# Allegro board WCS038B.brd (continued)
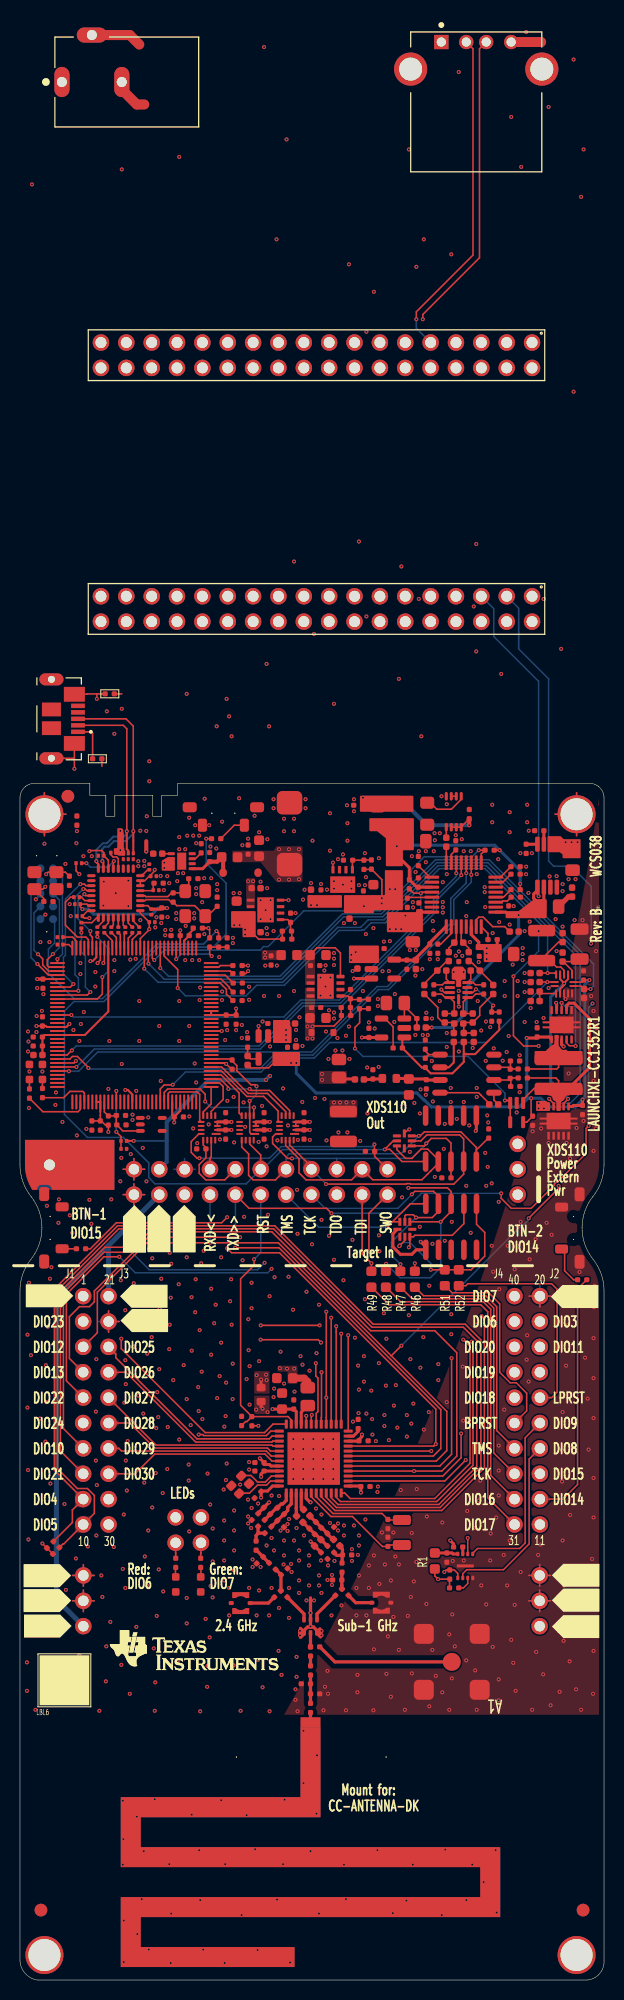
[diagram p0: board, top side]
## Routing (per net, layer and track width the routed paths; a pad name or vN(x,y) marks a point on that pad's centre or on a via; arc(x,y) is an arc through that point) (continued)
  BOTTOM w0.15: v1(40.7,83.75) 40.7,83.7 39.25,82.25 31.7,82.25 ; P4.5 31.73,82.22 31.7,82.25 ; v1(27.25,82.25) 31.7,82.25
XDS_TMS: length 5.9
  TOP w0.15: U5.36 20.15,90.6 21.95,88.8 21.95,86.79 U10.8
XDS_TMS_DIR: length 12.1
  TOP w0.15: U10.5 23.41,87.31 v1(23.45,87.35) ; v1(18.55,87.95) 18.55,88.68 18.02,89.2 14.8,89.2 14.45,88.85 U5.24
  BOTTOM w0.15: v1(18.55,87.95) 19.15,87.35 v1(23.45,87.35)
XDS_TMS_LS: length 34
  TOP w0.15: P4.9 25.59,80.1 23.35,80.1 22.9,80.55 22.9,82.7 22.21,83.39 U10.13 ; 45.71,83.08 45.71,83.36 44.16,84.9 40.5,84.9 40.1,84.5 v1(39.95,84.5) CR7.7 ; 45.71,83.08 P7.2 ; 45.71,83.08 46.9,84.28 R65.2
  BOTTOM w0.15: P4.9 26.65,82.4 26.96,82.71 38.16,82.71 v1(39.95,84.5)
XDS_TX: length 4.8
  TOP w0.15: U8.6 19.16,86.96 20.35,88.15 20.35,89.45 20,89.8 U5.34
XDS_TX_LS: length 3
  TOP w0.15: U8.15 19.16,82.41 19.03,82.28 P4.15
XDS_VDD: length 54.9
  TOP w0.15: U15.25 12.05,106.8 C6.1 v1(12.95,105.2) 12.95,105.15 12.05,104.25 U5.79 ; U5.69 C39.1 v1(16.05,105.08) ; v1(1.65,95.5) C4.1 ; v1(22.85,101) 22.6,100.75 R27.1 ; C42.1 8.05,86.56 8.05,86.92 ; C42.1 C7.1 ; C42.1 8.15,86 8.57,85.58 R18.2 v1(8.85,84.9) ; R58.2 21.18,91.18 v1(20.65,91.7) ; R83.1 5.62,111.03 v1(5.95,110.7) ; U5.122 5.4,91.8 v1(5.6,92) ; v1(6.95,106.3) 6.45,106.3 C79.1 6.8,107.05 U15.16 ; U8.3 U8.4 ; R39.1 v1(22.84,101.55) ; R33.2 26.28,104.22 C47.1 23.9,104.2 C49.1 ; U9.3 U9.4 ; v1(13.5,111.14) 13.5,111.04 13.1,110.63 C78.1 12.95,110.5 12.5,110.05 U15.31 U15.30 ; R17.2 19,105.16 v1(18.86,105.3) ; U15.6 8.85,112.1 C80.1 8.4,112.85 8.19,113.06 7.01,113.06 v1(6.95,113)
  TOP w0.2: C2.1 15.25,86.6 U5.26 ; C2.1 16.05,87 U5.28 ; C2.1 v1(15.45,85.85) ; U5.16 11.25,88.65 10.8,89.1 v1(10.55,89.1) ; U5.7 U5.8 8.05,86.92 ; U5.39 20.55,91.8 v1(20.65,91.7) ; v1(4.95,95.7) 4.65,95.4 U5.113 2.7,95.4 2.6,95.5 C4.1 ; v1(20.21,95) U5.47 ; R31.2 v1(18.86,105.3) ; v1(7.05,102) 7.27,102 7.65,102.38 U5.90 ; U5.52 U5.51 C38.1 C40.1 v1(21.65,97.25) ; U10.4 U10.3 ; U5.101 C3.1
  TOP w0.3: v1(21.18,85.9) C71.1 U8.4 ; U10.4 C75.1 v1(25.03,85.9) ; C3.1 v1(1.72,100.2) ; U9.4 C73.1 v1(29.03,85.9)
  BOTTOM w0.15: v1(2.55,106.65) P8.1
  vias: v1(21.45,105.6) v1(22,105.6) v1(22.55,105.15) v1(22.55,104.65)
N1013277: length 4.3
  TOP w0.15: U1.46 25.17,50.45 24.57,49.85 23.8,49.85 23.14,50.5 22.2,50.5 Y2.3
N1014101: length 11.6
  TOP w0.15: Y1.1 37,43.55 C81.1 36.3,43.4 33.3,46.4 31.15,46.4 29.17,48.37 U1.6
N1014113: length 9.9
  TOP w0.15: Y1.2 36.9,46.05 C91.1 36.85,46.11 36.26,46.7 31.35,46.7 29.67,48.37 U1.7
N1017630: length 2.3
  TOP w0.3: U4.8 43.38,42.65 43.28,42.75 C30.1 R1.1
N1018954: length 4.5
  TOP w0.15: Y2.1 21.98,48.74 22.98,48.74 23.8,49.55 24.7,49.55 25.1,49.95 U1.47
N1105722: length 1
  TOP w0.15: R15.1 18.12,41.28 18.12,40.38 CR1.2
N1105771: length 1
  TOP w0.15: CR2.2 15.57,40.38 15.57,41.22 15.6,41.25 R14.1
N1105824: length 1.6
  TOP w0.15: P6.1 15.59,42.75 15.6,42.73 R14.2
N1106228: length 1.6
  TOP w0.15: R15.2 18.1,42.69 18.12,42.71 18.12,42.74 18.13,42.75 P6.3
N1176544: length 23.9
  TOP w0.15: R46.1 39.57,69.35 40.42,68.5 46.65,68.5 47.75,67.4 47.75,55 J2.13
N1176548: length 27.7
  TOP w0.15: J2.15 47.45,52.76 47.45,67.27 46.52,68.2 39.27,68.2 38.12,69.35 R47.1
N1176568: length 31.4
  TOP w0.15: J2.17 47.15,50.52 47.15,67.15 46.4,67.9 38.12,67.9 36.67,69.35 R48.1
N1177007: length 35.1
  TOP w0.15: R49.1 35.22,69.35 36.97,67.6 46.15,67.6 46.85,66.9 46.85,48.28 J2.19
N1288065: length 4.1
  TOP w0.15: R55.1 55.45,70.1 54.55,71 54.55,73.03 54.4,73.18 SW2.3
N1288098: length 1.4
  TOP w0.15: R56.1 SW1.4
N1409884: length 1.6
  TOP w0.15: R59.1 44.41,39.25 44.85,39.69 U4.3
N1409917: length 0.7
  TOP w0.3: U4.7 R60.1
N2070546: length 1.5
  TOP w0.3: U1.23 33.4,54.45 33.88,54.93 C231.1
N2077625: length 2.6
  TOP w0.32: C37.1 33.63,37.77 P12.1
N2078767: length 13.8
  TOP w0.32: J7.1 31.54,31.85 30.04,33.35 C483.2
N2082297: length 2.8
  TOP w0.32: Z60.2 Z61.2 Z62.1 Z63.1
N2082307: length 1
  TOP w0.32: Z63.2 A1.1
  vias: v1(10.3,17.95) v1(10.3,11.55) v1(10.35,14.1) v1(10.4,5.95) v1(10.4,1.8) v1(11.7,16.35) v1(11.75,4.6) v1(12.2,8.1) v1(12.4,12.9) v1(12.9,3.05) v1(13.5,18.1) v1(14.95,11.6) v1(15.15,6.65) v1(15.1,1.7) v1(17.2,16.55) v1(17.95,13) v1(18.05,8) v1(18.35,3.05) v1(20.15,18) v1(20.55,11.6) v1(20.5,1.7) v1(22.2,6.5) v1(22.7,16.5) v1(23.55,13.1) v1(23.8,3) v1(25.75,8.05) v1(26.35,11.6) v1(26.5,18.05) v1(27.05,1.75) v1(28.4,24.95) v1(28.4,19.7) v1(29.1,12.9) v1(29.75,22.5) v1(29.7,16.65) v1(29.95,6.65) v1(32.45,11.55) v1(32.65,8.1) v1(35.8,13) v1(37.35,6.7) v1(38.7,7.95) v1(39.35,11.55) v1(42.25,6.5) v1(42.6,13.05) v1(44.7,8) v1(45.3,11.55) v1(46.45,9.8) v1(47.65,13) v1(47.75,6.75)
N2109598: length 1
  TOP w0.32: C482.2 Z60.1
N2200217: length 1.4
  TOP w0.32: FL3.2 C483.1
N2265485: length 3.7
  TOP w0.32: U1.1 26.67,48.01 26.32,47.66 26.17,47.66 L11.1 25.69,47.18 25.61,47.18 L12.1 25.06,46.62 C12.1
N2265505: length 2.2
  TOP w0.32: 23.85,45.41 23.85,44.75 23.87,44.72 ; 24.52,44.73 23.88,44.73 23.87,44.72 ; 23.87,44.72 23.87,44.72 23.65,44.5 L13.1
N2265585: length 1.8
  TOP w0.32: L13.2 23.69,43.03 C13.1 24.36,42.34 L14.1
N2265597: length 2.4
  TOP w0.32: 25.6,41.1 25.63,41.1 26.15,40.58 C14.1 26.14,40.54 26.14,38.99 C24.1 C15.1
N2265609: length 4.2
  TOP w0.32: L21.1 25.18,45.38 C21.1 26.42,46.63 26.44,46.63 26.82,47.01 26.82,47.31 27.17,47.66 U1.2
N2265771: length 2.3
  TOP w0.32: L31.1 27.68,46.47 27.68,47.22 27.67,47.23 U1.3
N2265775: length 1.7
  TOP w0.32: U1.4 28.17,47.32 L41.1
N2265811: length 3.5
  TOP w0.32: C33.1 30.7,43.55 30.69,43.55 30.15,44.09 L33.2 30.14,44.1 29.62,44.62 L32.1 29.52,44.65 28.94,45.24 28.92,45.24 28.38,45.78 28.37,45.78 L31.2
N2265859: length 2.9
  TOP w0.32: C34.1 32.3,43.15 32.04,43.41 L42.2 ; C34.1 32.3,42.5 32.25,42.45 32.19,42.51 31.74,42.51 C33.2 ; C34.1 32.27,42.53 32.27,41.76 L34.1
N2265947: length 1.7
  TOP w0.32: C36.1 32.24,39.16 32.24,39.51 32.23,39.51 C35.2 32.23,40.6 32.26,40.62 L34.2
N2265959: length 3.4
  TOP w0.32: L42.1 31.35,44.15 31.29,44.15 30.79,44.65 C41.2 30.64,44.85 30.64,44.85 30.23,45.27 L32.2 30.18,45.31 C31.1 29.59,45.89 29.58,45.89 29.04,46.44 L41.2
N2271463: length 2.7
  TOP w0.32: 25.47,38.32 24.88,37.73 P11.1
N2275325: length 2.9
  TOP w0.32: 26.78,38.32 28.45,36.65 FL3.6
N2275332: length 3.2
  TOP w0.32: FL3.4 29.75,36.66 31.59,38.5
N2777344: length 2.9
  TOP w0.15: SW3.3 21.46,115.6 R57.1
N2941019: length 2.2
  TOP w0.15: U5.95 5.65,104.01 5.26,104.4 R90.2
N2941087: length 1.1
  TOP w0.15: U5.96 4.9,103.65 R91.2
N2941281: length 6.5
  TOP w0.15: U5.3 6.05,87.15 5.82,86.92 2.29,86.92 0.95,88.26 R23.2
N2941323: length 5.4
  TOP w0.15: U5.4 6.45,88.8 6.3,88.95 5,88.95 4.38,88.33 R25.2
N2941527: length 0.9
  TOP w0.15: CR5.2 R25.1
N2941531: length 0.9
  TOP w0.15: CR4.2 R23.1
N2941987: length 6.2
  TOP w0.15: C89.1 16.9,109.35 Y4.1 16.37,108.82 R87.2 15.17,108.82 14.8,108.45 12.6,108.45 12.5,108.55 U15.28
N2942075: length 8.8
  TOP w0.15: C88.2 18.77,106.5 Y4.3 17.5,107.55 15.7,107.55 R87.1 15.15,107.9 14.9,108.15 12.6,108.15 12.5,108.05 U15.27
N2942253: length 4.4
  TOP w0.15: R83.2 v1(6.65,111.8) ; v1(9.4,112) 9.35,111.95 U15.5
  BOTTOM w0.15: v1(9.4,112) 9.27,111.88 9.27,111.87 9.03,111.62 8.8,111.4 7.05,111.4 v1(6.65,111.8)
N2942419: length 2.2
  TOP w0.15: U5.63 19.91,101.4 20.06,101.55 R39.2
N2942527: length 1.1
  TOP w0.15: U15.32 12.2,110.55 12.79,111.14 R84.2
N2942551: length 2.3
  TOP w0.15: U5.62 21.08,101 R27.2
N2942639: length 2.5
  TOP w0.15: R29.1 20.55,100.6 U5.61
N2942779: length 2.8
  TOP w0.15: U5.60 20.15,100.2 20.97,99.38 20.97,99.27 R30.1
N2943199: length 2.4
  TOP w0.2: R31.1 17.35,105.15 16.95,104.75 C46.1 16.95,104.55 16.45,104.05 U5.68
N2943207: length 1.2
  TOP w0.15: U15.24 11.35,106 R140.1
N2943259: length 1.3
  TOP w0.15: U15.14 6.5,108.05 6.15,108.4 R148.1
N2943267: length 1.1
  TOP w0.15: R141.1 10.85,105.8 U15.23
N2943319: length 1
  TOP w0.15: R142.1 10.35,105.6 U15.22
N2943359: length 1
  TOP w0.15: R143.1 U15.21
N2943391: length 1
  TOP w0.15: R144.1 9.35,105.6 U15.20
N2943451: length 1.1
  TOP w0.15: U15.19 8.85,105.8 R145.1
N2943523: length 1.2
  TOP w0.15: U15.18 8.35,106 R146.1
N2943603: length 1.9
  TOP w0.15: U15.17 7.7,106.35 7.2,105.85 R147.1
N2943999: length 7.7
  TOP w0.15: v1(19.2,102.5) 19,102.7 R17.1 R20.1 R21.1 ; v1(15.65,102.2) U5.70
  BOTTOM w0.15: v1(19.2,102.5) 19,102.7 16.15,102.7 v1(15.65,102.2)
N2944041: length 6
  TOP w0.15: U6.3 10.3,85 C50.1 9.65,85.65 C8.1 9.6,86.5 R18.1 8.45,86.9 U5.9
N2944467: length 2.8
  TOP w0.15: U7.5 26.83,106.15 R34.2 27.1,105.1 R33.1 27.22,104.98 C47.2
N2944509: length 15.4
  TOP w0.15: U5.88 8.45,101.9 v1(8.35,101.8) ; C9.1 4.55,110.9 Y3.1 2.82,110.9 v1(2.62,110.7)
  L3 w0.15: v1(2.62,110.7) 4.15,109.17 4.15,106.2 8.35,102 v1(8.35,101.8)
N2944561: length 14.2
  TOP w0.15: v1(2.53,109.44) 2.3,109.2 Y3.3 2.39,108.26 C1.1 ; v1(7.77,101.8) 7.77,101.83 8.05,102.1 U5.89
  L3 w0.15: v1(7.77,101.8) 7.77,102.15 3.85,106.07 3.85,108.12 v1(2.53,109.44)
N2944733: length 3.2
  TOP w0.15: U5.59 20.05,99.8 20.67,99.18 20.67,98.7 R28.2
N2986125: length 14.6
  TOP w0.15: U34.6 U34.7 U34.8 44.2,115.45 44.95,116.2
  TOP w0.4: C118.1 44.95,116.2 45,116.15 v1(45,115.6)
  BOTTOM w0.4: v1(34.35,118.35) 38,118.35 40.75,115.6 v1(45,115.6)
N2986433: length 4
  TOP w0.15: R99.2 53.78,91.2 53.95,91.37 R107.2
N2986453: length 4.4
  TOP w0.15: U34.1 44.2,118.19 43.21,117.2 41.75,117.2 41.1,117.85 Y5.3
N2986493: length 0.5
  TOP w0.15: U34.2 U34.3
N2986501: length 1
  TOP w0.15: R94.2 U34.5
N2986505: length 1.6
  TOP w0.15: U35.24 R94.1
N2986529: length 19.6
  TOP w0.15: U45.1 50.4,88.15 51.5,89.25 R107.1 53.95,90.03 53.68,90.3 R108.2
  TOP w0.3: U33.7 54.75,97.54 55,97.79 55.5,97.79 57.05,96.24 57.05,91.35 55.15,89.45 55.15,89.25
N2986711: length 5.8
  TOP w0.15: R95.2 41.85,97.35 41.85,96.35 42.35,95.85 R102.2 43.4,95.85 C129.1 43.45,95.7 R101.1
N2986719: length 3.5
  TOP w0.15: R104.2 42.75,102 R103.1 40.5,99.75 R95.1
N2986959: length 4.5
  TOP w0.15: R102.1 C130.1 43.5,97.9 U37.4 42.58,98.35 42.23,98.7 C123.1
N2986967: length 3
  TOP w0.15: C123.2 42.31,99.62 42.53,99.85 U37.1 42.7,100.2 R103.2
N2987171: length 2.5
  TOP w0.15: R97.1 38.87,108.37 41.22,108.37 U35.29
N2987283: length 3.3
  TOP w0.15: U36.3 48.92,91.37 C132.1 49.13,91.21 ; C124.2 49.13,91.21 ; 49.13,91.21 49.14,91.2 R99.1
N2987343: length 1.6
  TOP w0.15: R98.2 46.88,104.77 U35.8
N2987399: length 1.4
  TOP w0.15: U36.1 47.47,88.08 R137.2
N2987403: length 5.5
  TOP w0.15: R137.1 47,87.75 46.17,88.57 45.93,88.82 U36.8
N2987531: length 3.6
  TOP w0.2: U36.6 42.96,91.37 43.45,91.85 R101.2
N2987583: length 2.9
  TOP w0.15: R104.1 42.95,103.3 C131.1 43.7,104.05 U35.3
N2987595: length 1.5
  TOP w0.15: R105.2 43.2,112.68 U35.23
N2987655: length 3.4
  TOP w0.15: R108.1 49.14,90.3 C132.2 ; C132.2 49.16,90.2 49.16,89.46 C134.1 ; C132.2 48.93,90.1 47.47,90.1
N2987667: length 4.8
  TOP w0.15: v1(47.4,97.55) 47.25,97.4 C133.1 R111.1 ; v1(45.67,99.18) 45.35,98.85 U37.7
  BOTTOM w0.15: v1(47.4,97.55) 45.77,99.18 v1(45.67,99.18)
N2987683: length 2.9
  TOP w0.15: R113.1 44.95,103.3 C131.2 44.2,104.05 U35.4
N2987711: length 2.3
  TOP w0.15: 40.96,92.63 40.6,93 R106.2 ; 40.96,92.63 U36.5 ; 40.96,92.63 R100.2
N2987751: length 4.5
  TOP w0.15: C135.1 45.64,98.7 45.29,98.35 U37.6 44.4,97.93 C130.2 R110.1
N2987759: length 3.1
  TOP w0.15: C135.2 45.63,99.62 45.4,99.85 U37.9 45.15,100.18 R112.2
N2987811: length 2.5
  TOP w0.15: C136.1 42.14,103.7 43.2,104.76 U35.2
N2987883: length 6.7
  TOP w0.15: R120.2 46.05,97.35 46.05,96.55 R110.2 44.5,95.85 C129.2 44.45,95.7 R109.1 R115.1
N2987963: length 1.8
  TOP w0.15: C137.1 48.81,108.01 48.36,108.01 48.25,107.9 U35.11
N2988091: length 3.5
  TOP w0.15: R113.2 45.1,102 R112.1 47.4,99.7 R120.1
N2988111: length 1.8
  TOP w0.15: C138.1 41.05,110.4 U35.25
N2988211: length 4.8
  TOP w0.15: R116.2 48.55,105.45 47.35,105.45 46.4,106.4 45.96,106.4 45.7,106.14 U35.7
N2988383: length 2
  TOP w0.15: R117.2 48.13,110.4 U35.16
N2988415: length 1.9
  TOP w0.15: U35.15 48.38,109.9 R118.2
N2988503: length 1.8
  TOP w0.15: R119.2 48.43,108.4 U35.12
N2988673: length 17.1
  TOP w0.15: U38.2 54.45,87.75 v1(54.9,88.2) ; 54.48,99.77 v1(54.5,99.75)
  TOP w0.2: U39.4 54.1,100.2 54.45,99.85 54.48,99.85 54.48,99.58 54.1,99.2 U39.9 ; U39.2 54.9,100.2 54.5,99.8 v1(54.5,99.75)
  BOTTOM w0.3: v1(54.9,88.2) 53.15,89.95 53.15,98.4 v1(54.5,99.75)
N2989115: length 3.5
  TOP w0.15: 54.42,101.95 55.3,101.07 U39.1 ; 54.42,101.95 C143.1 ; 54.42,101.95 55.8,101.95 R123.2
N2989191: length 1.4
  TOP w0.3: R136.2 52.47,115.05 U40.3
N2989203: length 4.2
  TOP w0.15: R121.2 R126.1 38.5,97.5 ; C147.1 38.5,97.5 ; 38.5,97.5 U41.3
N2989279: length 1.1
  TOP w0.3: U40.4 C145.1
N2989287: length 1.8
  TOP w0.5: C146.2 54.95,108.45 R122.2
N2989331: length 6
  TOP w0.15: U39.3 54.5,101.07 54.17,101.4 53.75,101.4 53.45,101.7 52.6,101.7 R125.2 52.25,102.2 53.95,103.9 C144.1
N2989451: length 3.6
  TOP w0.15: R131.2 37.38,95.42 36.55,96.25 U41.4
N2989545: length 2.7
  TOP w0.15: U39.8 52.25,98.75 C149.1 R130.1
N2992079: length 5.9
  TOP w0.15: U46.8 32.1,102.8 31.57,103.32 29.75,103.32 29.05,102.62 C171.1
N2992279: length 2.8
  TOP w0.15: U42.5 33.3,112.08 R133.2 R132.1 34.47,112.12 C153.2
N2992427: length 4.6
  TOP w0.15: R152.2 33.18,98.15 C169.1 34.88,98.15 R138.2 ; R152.2 32.83,98.5 U46.5 ; R152.2 R151.1 33.1,96.57 C172.2
N2992751: length 1.9
  TOP w0.15: FL4.2 36.25,90.2
  TOP w0.3: 36.25,90.2 C166.1 35.3,90.15 R354.1
N2993203: length 2.1
  TOP w0.15: U44.4 23.09,92.21 R134.1 R135.2
N3010981: length 5
  TOP w0.3: U47.5 18.3,111.25 C109.1
  TOP w0.4: CR15.1 20.35,112.25 FL2.2 19.75,111.95 C109.1
N3012487: length 0.9
  TOP w0.15: C108.1 U47.1
N3014332: length 1.1
  TOP w0.15: R353.2 17.57,112.25 U47.7
N3147220: length 4.1
  TOP w0.15: R356.2 7.28,124.82 7.15,124.95 J13.1
N3162753: length 17.6
  TOP w0.15: 5.45,122.25 5.4,122.3 J13.SH6 ; 5.45,122.25 v1(5.45,121.25) ; 5.45,122.25 J13.SH5 ; R358.2 7.7,128.75 ; 7.7,128.75 6.74,128.75 6.7,128.71 J13.SH2 ; 7.7,128.75 v1(7.7,128.25)
  L3 w0.15: v1(5.45,121.25) 7.55,121.25 7.7,121.4 v1(7.7,128.25)
N294220919: length 2.1
  TOP w0.15: U15.4 9.85,112.25 9.67,112.43 9.33,112.43 9.1,112.65 R82.1

## Copper pours and planes (outline as drawn; the poured copper is in the pictures)
5V0 on L3 (solid shape): outline of 2697 points within 22.55,89.7 33.75,119.3
5V0 on TOP: 29.95,91 29.95,89.7 32.75,89.7 32.75,91
5V0 on TOP: 25.7,113.5 25.41,113.05 21.25,113.05 21.25,111.9 24.1,111.9 25.7,109.9 28.3,109.9 28.3,113.5
5V0 on TOP: 22.65,110.3 22.65,107.3 23.55,107.3 23.55,110.3
5V0 on TOP: 24.2,103.1 24.2,102.1 26.65,102.1 26.65,103.1
GND on TOP (solid shape): 9.45,84.1 9.45,79.1 3.2,79.1 3.07,79.44 2.75,79.6 2.15,79.6 1.83,79.44 1.7,79.1 1.25,79.1 0.69,80.29 0.5,81.6 0.5,84.1
GND on BOTTOM (solid shape): 9.45,79.1 1.25,79.1 0.69,80.3 0.5,81.6 0.5,84.1 9.45,84.1
GND on TOP: 0.5,26.55 0.5,69 0.76,70.5 1.49,71.84 2.7,75.3 1.49,78.76 0.76,80.1 0.5,81.6 0.5,121.5 1.45,121.5 1.45,123 3.95,123 3.95,124.5 1.45,124.5 1.45,128 3.95,128 3.95,129.5 1.45,129.5 1.45,131.25 0.5,131.25 -401.06,75.52 0.47,195.5 57.72,195.5 57.97,195.75 -456.89,81.12 58,118.34 58,81.6 57.74,80.1 57.01,78.76 55.8,75.3 57.01,71.84 57.74,70.5 58,69 58,26.55 ; 33 cut-outs
GND on BOTTOM: 0.5,25.75 0.5,69 0.76,70.5 1.49,71.84 2.7,75.3 1.49,78.76 0.76,80.1 0.5,81.6 0.45,128.5 0.45,195.5 57.72,195.5 57.97,195.75 -456.89,80.72 58,118.34 58,81.6 57.74,80.1 57.01,78.76 55.8,75.3 57.01,71.84 57.74,70.5 58,69 58,25.75 ; 3 cut-outs
GND on L2: 58.14,196 56.94,157.18 58,118.34 58,81.6 57.74,80.1 57.01,78.76 55.8,75.3 57.01,71.84 57.74,70.5 58,69 58,26.55 0.5,26.55 0.5,69 0.76,70.5 1.49,71.84 2.7,75.3 1.49,78.76 0.76,80.1 0.5,81.6 0.5,119.75 -401,78.98 0.47,195.75 57.89,195.75 ; 1 cut-out
VDDR on TOP: 27.8,59.7 27.8,61.5 25.8,61.5 25.8,60.9 26.8,60.9 26.8,59.7
VDDR on L3: 26.27,48.15 26.27,51.65 23.39,51.65 23.39,57.55 28.31,57.55 28.31,61.65 25.71,61.65 25.71,60.1 25.03,59.55 21.43,59.55 21.43,48.15
VDDS on TOP: 23.45,58.5 23.45,56.65 25,56.65 25,58.5
VDDS on L3: 23.39,57.45 23.39,51.65 26.27,51.65 26.27,48.65 34.65,48.65 34.65,57.45
(no net) on TOP: 32.45,108.6 32.45,106.8 35.45,106.8 35.45,107.1 38.35,107.1 38.35,111.1 36.55,111.1 36.55,108.6
(no net) on TOP: 35,116.3 35,115 35.78,115 36.65,114.29 36.65,111.5 38.35,111.5 38.35,113.1 39.45,113.1 39.45,116.3
(no net) on TOP: 32.95,101.8 35.95,101.8 35.95,103.55 32.95,103.55
(no net) on TOP: 56.35,91.75 51.55,91.75 51.55,93 52.65,93 53.45,93.75 53.45,94.6 54.05,94.6 54.05,93.75 54.85,93 56.35,93
(no net) on TOP: 28.8,108.6 28.8,107.35 32.25,107.35 32.25,108.6
(no net) on TOP: 27.2,96.1 25.35,96.1 25.35,93.8 27.2,93.8
(no net) on TOP: 34.05,118.55 34.05,116.95 39.4,116.95 39.4,118.55
(no net) on TOP: 51.55,89.4 56.35,89.4 56.35,88.6 55.05,88.6 54.25,87.85 54.25,87 53.65,87 53.65,87.85 52.85,88.6 51.55,88.6
(no net) on TOP: 21.15,107 21.15,105.35 22.3,105.35 22.3,104.4 23.6,104.4 23.6,107
(no net) on TOP: 52.75,114.5 52.75,112.9 54.05,112.9 54.35,112.7 54.35,112.3 56.15,112.3 56.15,114.2 54.45,114.2 54.15,114.5
(no net) on TOP: 53.1,88 53.1,87 51.7,87 51.7,88
(no net) on TOP: 28.05,92.9 25.3,92.9 25.3,91.5 28.05,91.5
(no net) on TOP: 48.25,101.9 48.25,103.7 45.65,103.7 45.65,103.1 46.45,103.1 46.45,101.9
(no net) on TOP: 10.6,112.55 10.6,113.25 10.4,113.35 10.4,115.3 9.75,115.3 9.75,113.3 9.4,113.3 9.4,112.55
(no net) on TOP: 43.53,101.45 43.25,101.19 43.25,99.4 44.65,99.4 44.65,101.1 44.33,101.45
(no net) on TOP: 52.75,108.2 52.75,106.3 48.65,106.3 48.65,107 49.95,107 51.52,108.2
(no net) on TOP: 36.75,106.9 36.75,104.9 40.35,104.9 40.35,107.2 39.7,107.2 39.7,106.9
(no net) on TOP: 14.2,111.05 15.5,111.05 15.5,112.4 14.8,112.4 14.2,112.05
(no net) on L3: 1.59,119.3 6.45,119.3 6.45,115.35 16.4,115.35 16.4,119.25 23.25,119.25 23.25,87.5 29.25,87.51 29.25,85.65 12.4,85.65 12.4,79.55 0.99,79.55 0.62,80.55 0.5,81.6 0.5,118.1
(no net) on L3: 9.75,113.8 9.45,113.5 9.45,112.5 10.7,112.5 10.7,113.8 13.75,113.8 14.15,113.4 14.15,112.5 13.95,112.3 13.95,111 14.7,111 14.75,111.05 14.75,115.1 14.45,115.1 14.45,118 10.4,118 10.4,123.2 10.45,123.25 56.45,123.25 56.45,171.3 55.88,171.75 44.7,171.75 43.2,171.5 42.7,169.75 42.7,167.25 43.2,166.75 55.2,166.75 55.2,124.5 10.2,124.5 9.75,124.05
(no net) on L3: 28.45,95.75 28.45,93.75 31.05,93.75 31.05,86.25 47.2,86.25 47.2,82.5 51.05,82.5 51.05,89 33.7,89 33.7,95.75
(no net) on L3: 12.9,79.95 12.9,85.35 51.2,85.35 51.25,98.05 58,98.05 58,81.6 57.92,80.76 57.69,79.95
(no net) on L3: 34.15,89.45 34.15,119.3 57.04,119.3 57.72,119.02 58,118.34 58,89.45
(no net) on L3: 36.75,106.8 36.75,101.8 48.35,101.8 48.35,106.8
(no net) on L3: 22.55,119.3 22.55,107.1 23.65,107.1 23.65,89.7 30.55,89.7 30.55,93.1 27.65,93.1 27.65,96.5 33.75,96.5 33.75,119.3
ET_3V3 on L3 (solid shape): outline of 5344 points within 34.15,89.45 58,119.3
ET_AVDD on L3 (solid shape): outline of 564 points within 36.75,101.8 48.35,106.8
ET_VDD on L3 (solid shape): outline of 1026 points within 28.45,82.5 51.05,95.75
ET_VDD on TOP: 28.55,99.35 28.55,94.05 29.55,94.05 29.55,99.35
ET_VDD on TOP: 31,88.1 31,86.3 33.8,86.3 33.8,88.1
LS_VDD on L3 (solid shape): outline of 2885 points within 12.9,79.95 58,98.05
TARGET_VDD on BOTTOM: 14.95,80 14.95,85.75 16.7,87.25 50.7,87.25 50.7,88.5 56.7,88.5 56.7,82.75 17.95,82.75 17.95,80 ; 1 cut-out
USB_VBUS on L3 (solid shape): outline of 362 points within 9.45,111 56.45,171.75
WMCU_VDD on TOP: 23.45,60.95 23.45,58.7 25,58.7 25,60.95
WMCU_VDD on L3: 24.47,61.7 24.47,66.4 15.47,75.2 7.71,75.2 7.71,67.4 4.91,67.4 4.91,42.35 1.19,42.35 1.19,70.6 4.99,70.6 4.99,77.45 15.15,77.45 15.15,79.55 17.7,79.55 17.7,77.45 47.59,77.45 47.59,79.45 51.51,79.45 51.51,77.15 54.87,77.15 54.87,35.3 40.51,35.3 40.51,44.75 43.39,44.75 43.39,43.6 42.15,43.6 42.15,38.55 53.15,38.55 53.15,75.2 41.11,75.2 41.11,73.4 39.71,73.4 39.71,75.2 20.79,75.2 28.19,67.6 28.19,61.8 25.55,61.8 25.55,60.3 24.84,59.75 23.35,59.75 23.35,61.15 ; 1 cut-out
XDS_VDD on L3 (solid shape): outline of 7544 points within 0.5,79.55 29.25,119.3
N2082307 on TOP (solid shape): 30.1,16.3 12.1,16.3 12.1,13.3 48.1,13.3 48.1,6.3 12.1,6.3 12.1,3.3 27.5,3.3 27.5,1.3 10.1,1.3 10.1,8.3 46.1,8.3 46.1,11.3 10.1,11.3 10.1,18.3 28.1,18.3 28.1,25.3 30.1,25.3
N2082307 on BOTTOM (solid shape): 30.1,16.3 12.1,16.3 12.1,13.3 48.1,13.3 48.1,6.3 12.1,6.3 12.1,3.3 27.5,3.3 27.5,1.3 10.1,1.3 10.1,8.3 46.1,8.3 46.1,11.3 10.1,11.3 10.1,18.3 28.1,18.3 28.1,25.3 30.1,25.3
N2986529 on TOP (solid shape): 56.25,89.4 56.32,89.37 56.35,89.3 56.35,88.7 56.32,88.63 56.25,88.6 55.09,88.6 55.05,88.59 55.02,88.57 55.01,88.56 54.97,88.55 54.94,88.55 54.67,88.47 54.55,88.21 54.54,88.17 54.52,88.14 54.4,88.02 54.38,88.01 54.35,88 54.22,87.92 54.17,87.77 54.17,87.12 54.17,87.1 54.14,87.03 54.07,87 53.83,87 53.76,87.03 53.73,87.1 53.73,87.12 53.73,87.77 53.68,87.92 53.55,88 53.52,88.01 53.5,88.02 53.38,88.14 53.36,88.17 53.35,88.21 53.23,88.47 52.96,88.55 52.91,88.55 52.88,88.58 52.86,88.59 52.83,88.6 51.65,88.6 51.58,88.63 51.55,88.7 51.55,89.3 51.58,89.37 51.65,89.4
N2992079 on TOP: 27.25,103.1 27.25,102.1 28.55,102.1 28.55,99.6 29.55,99.6 29.55,103.1
5V0 on TOP (solid shape): 32.15,108.6 32.22,108.57 32.25,108.5 32.25,107.45 32.22,107.38 32.15,107.35 28.9,107.35 28.83,107.38 28.8,107.45 28.8,108.5 28.83,108.57 28.9,108.6
5V0 on TOP (solid shape): 35.85,103.55 35.92,103.52 35.95,103.45 35.95,101.9 35.92,101.83 35.85,101.8 33.05,101.8 32.98,101.83 32.95,101.9 32.95,103.45 32.98,103.52 33.05,103.55
5V0 on TOP (solid shape): 26.87,96.1 26.91,96.09 26.94,96.07 27.05,95.97 27.07,95.93 27.07,95.89 27.07,95.62 27.1,95.49 27.19,95.34 27.2,95.31 27.2,93.9 27.17,93.83 27.1,93.8 25.45,93.8 25.38,93.83 25.35,93.9 25.35,96 25.38,96.07 25.45,96.1
ET_3V3 on TOP (solid shape): 38.25,111.1 38.32,111.07 38.35,111 38.35,107.2 38.32,107.13 38.25,107.1 35.55,107.1 35.48,107.07 35.45,107 35.45,106.9 35.42,106.83 35.35,106.8 32.55,106.8 32.48,106.83 32.45,106.9 32.45,108.5 32.48,108.57 32.55,108.6 36.45,108.6 36.52,108.63 36.55,108.7 36.55,111 36.58,111.07 36.65,111.1
ET_3V3 on TOP (solid shape): 54.11,114.5 54.15,114.49 54.18,114.47 54.42,114.23 54.45,114.21 54.49,114.2 56.05,114.2 56.12,114.17 56.15,114.1 56.15,112.4 56.12,112.33 56.05,112.3 54.45,112.3 54.38,112.33 54.35,112.4 54.35,112.65 54.34,112.69 54.31,112.73 54.08,112.88 54.05,112.9 54.02,112.9 52.94,112.9 52.87,112.93 52.84,113 52.85,113.06 52.85,113.1 52.85,114.3 52.85,114.34 52.84,114.4 52.87,114.47 52.94,114.5
ET_3V3 on TOP (solid shape): 44.29,101.45 44.33,101.44 44.37,101.42 44.62,101.13 44.64,101.1 44.65,101.06 44.65,100.25 44.62,100.18 44.55,100.15 44.4,100.15 44.23,100.09 44.17,99.93 44.17,99.77 44.17,99.72 44.2,99.65 44.2,99.63 44.2,99.57 44.2,99.55 44.17,99.48 44.14,99.42 44.08,99.4 43.79,99.4 43.73,99.42 43.7,99.48 43.67,99.55 43.67,99.57 43.67,99.63 43.67,99.65 43.7,99.72 43.7,99.77 43.7,99.93 43.64,100.09 43.48,100.15 43.35,100.15 43.28,100.18 43.25,100.25 43.25,101.15 43.26,101.19 43.28,101.22 43.51,101.42 43.54,101.44 43.57,101.45
ET_3V3 on L3 (solid shape): 57.8,102.69 57.84,102.67 57.96,102.57 57.99,102.54 58,102.5 58,98.3 57.97,98.23 57.9,98.2 57.86,98.2 57.79,98.23 57.76,98.3 57.76,101.97 57.75,102.01 57.73,102.04 57.46,102.31 57.43,102.35 57.43,102.38 57.43,102.49 57.44,102.53 57.46,102.57 57.58,102.67 57.61,102.69 57.66,102.69 57.71,102.69 57.76,102.69
ET_AVDD on TOP (solid shape): 40.25,107.2 40.32,107.17 40.35,107.1 40.35,105 40.32,104.93 40.25,104.9 36.85,104.9 36.78,104.93 36.75,105 36.75,106.8 36.78,106.87 36.85,106.9 39.6,106.9 39.67,106.93 39.7,107 39.7,107.1 39.73,107.17 39.8,107.2
ET_AVDD on TOP (solid shape): 48.15,103.7 48.22,103.67 48.25,103.6 48.25,102 48.22,101.93 48.15,101.9 46.55,101.9 46.48,101.93 46.45,102 46.45,103 46.42,103.07 46.35,103.1 45.75,103.1 45.68,103.13 45.65,103.2 45.65,103.6 45.68,103.67 45.75,103.7
ET_DVDD on TOP (solid shape): 39.35,116.3 39.42,116.27 39.45,116.2 39.45,113.2 39.42,113.13 39.35,113.1 38.45,113.1 38.38,113.07 38.35,113 38.35,111.6 38.32,111.53 38.25,111.5 36.75,111.5 36.68,111.53 36.65,111.6 36.65,114.25 36.64,114.29 36.61,114.32 35.81,114.98 35.78,114.99 35.75,115 35.1,115 35.03,115.03 35,115.1 35,116.2 35.03,116.27 35.1,116.3
ET_VREF on TOP (solid shape): 51.74,108.2 51.76,108.2 51.79,108.19 51.95,108.15 52.11,108.19 52.14,108.2 52.16,108.2 52.65,108.2 52.72,108.17 52.75,108.1 52.75,106.4 52.72,106.33 52.65,106.3 51.1,106.3 51.05,106.3 51,106.3 48.75,106.3 48.68,106.33 48.65,106.4 48.65,106.9 48.68,106.97 48.75,107 49.92,107 49.95,107.01 49.98,107.02 51.49,108.18 51.52,108.19 51.55,108.2
SW_VDD on TOP (solid shape): 27.95,92.9 28.02,92.87 28.05,92.8 28.05,91.6 28.02,91.53 27.95,91.5 25.4,91.5 25.33,91.53 25.3,91.6 25.3,92.8 25.33,92.87 25.4,92.9
TARGET_VDD on TOP (solid shape): 52.66,88 52.7,87.99 52.85,87.88 52.99,87.85 53.03,87.84 53.06,87.82 53.07,87.81 53.09,87.78 53.1,87.74 53.1,87.1 53.07,87.03 53,87 51.8,87 51.73,87.03 51.7,87.1 51.7,87.9 51.73,87.97 51.8,88
USB_VBUS on TOP (solid shape): 15.4,112.4 15.47,112.37 15.5,112.3 15.5,111.15 15.47,111.08 15.4,111.05 14.3,111.05 14.23,111.08 14.2,111.15 14.2,111.99 14.21,112.04 14.25,112.08 14.78,112.39 14.8,112.4 14.83,112.4
USB_VBUS on TOP (solid shape): 10.16,115.3 10.2,115.29 10.23,115.26 10.33,115.14 10.35,115.11 10.35,115.06 10.35,114.95 10.39,114.84 10.4,114.81 10.4,114.79 10.4,113.38 10.43,113.33 10.45,113.33 10.45,113.14 10.46,113.1 10.48,113.07 10.52,113.02 10.54,112.99 10.55,112.94 10.55,112.92 10.52,112.58 10.44,112.55 10.27,112.55 10.23,112.55 9.91,112.55 9.87,112.56 9.84,112.58 9.8,112.62 9.77,112.64 9.73,112.65 9.53,112.65 9.46,112.68 9.43,112.75 9.43,112.96 9.42,113.01 9.4,113.07 9.4,113.2 9.43,113.27 9.5,113.3 9.65,113.3 9.72,113.33 9.75,113.4 9.75,115.2 9.78,115.27 9.85,115.3
XDS_VDD on TOP (solid shape): 23.5,107 23.57,106.97 23.6,106.9 23.6,104.5 23.57,104.43 23.5,104.4 22.4,104.4 22.33,104.43 22.3,104.5 22.3,105.25 22.27,105.32 22.2,105.35 21.25,105.35 21.18,105.38 21.15,105.45 21.15,106.9 21.18,106.97 21.25,107
N2986125 on TOP (solid shape): 39.3,118.55 39.37,118.52 39.4,118.45 39.4,117.05 39.37,116.98 39.3,116.95 34.15,116.95 34.08,116.98 34.05,117.05 34.05,118.45 34.08,118.52 34.15,118.55
N2986433 on TOP (solid shape): 53.87,94.6 53.94,94.57 53.97,94.5 53.97,94.48 53.97,94.27 53.95,94.2 53.95,94.15 53.95,93.57 53.96,93.53 53.98,93.5 54.09,93.38 54.11,93.36 54.12,93.34 54.31,93.13 54.61,93.14 54.67,93.15 54.72,93.12 54.82,93.03 54.85,93.01 54.89,93 56.25,93 56.32,92.97 56.35,92.9 56.35,91.85 56.32,91.78 56.25,91.75 51.65,91.75 51.58,91.78 51.55,91.85 51.55,92.9 51.58,92.97 51.65,93 52.61,93 52.65,93.01 52.68,93.03 53.26,93.57 53.29,93.59 53.32,93.6 53.47,93.67 53.53,93.82 53.53,94.03 53.53,94.05 53.55,94.15 53.53,94.25 53.53,94.27 53.53,94.48 53.53,94.5 53.56,94.57 53.63,94.6

Small or netless copper shapes (teardrops, artwork), in the pictures only: 231 on TOP, 106 on BOTTOM, 66 on L3

## Text on the board
Ref Des/Silkscreen Bottom: J1 | 1 | 10 | 21 | 30 | J3 | J4 | 31 | 40 | 11 | 20 | J2 | DIO23 | DIO22 | DIO24 | DIO12 | DIO13 | DIO25 | DIO27 | DIO28 | DIO29 | DIO30 | DIO26 | DIO7 | DIO6 | DIO20 | DIO19 | DIO18 | BPRST | DIO9 | DIO8 | DIO3 | DIO11 | LPRST | DIO15 | DIO14 | DIO10 | DIO21 | DIO4 | DIO5 | TMS | TCK | DIO16 | DIO17
User.Comments: WCS038 | Rev. B | Milling tool 2.0 mm TYP | Milling tool 0.5 mm TYP | RED | BOTTOM LAYER
Ref Des/Silkscreen Top: J1 | 10 | 1 | 21 | 30 | J3 | J4 | 40 | 31 | 20 | 11 | J2 | R49 | R48 | R47 | R46 | R51 | R52 | R1 | DIO23 | DIO12 | DIO13 | DIO22 | DIO24 | DIO15 | BTN-1 | DIO25 | DIO26 | DIO27 | DIO28 | DIO29 | DIO30 | Red: | DIO6 | LEDs | Green: | DIO7 | 2.4 GHz | CC-ANTENNA-DK | Sub-1 GHz | Mount for: | Target In | XDS110 | Out | DIO20 | DIO19 | DIO18 | BPRST | BTN-2 | DIO14 | Power | Extern | Pwr | DIO3 | DIO11 | LPRST | DIO9 | DIO8 | DIO4 | DIO5 | DIO10 | DIO21 | DIO16 | DIO17 | TMS | TCK | RXD<< | TXD>> | RST | TDO | TDI | SWO | LAUNCHXL-CC1352R1 | WCS038 | Rev: B
XSECTION_CHART: L1: TOP CONDUCTOR - COPPER + PLATING 0.035 MM | *  DIELECTRIC - FR-4 0.175 MM (TOP PRIORITY) | L2: L2 PLANE - COPPER 0.035 MM | *  DIELECTRIC - FR-4 1.11 MM | L3: L3 PLANE - COPPER 0.035 MM | *  DIELECTRIC - FR-4 0.175 MM | L4: BOTTOM CONDUCTOR - COPPER + PLATING 0.035 MM | DESIGN CROSS SECTION CHART | ___________________________ | TOTAL THICKNESS 1.6 MM
DIMENSION: V. SCORE
PAGE_OUTLINE: LAUNCHXL-CC1352R1 | WCS038
User.27: FIGURE | FINISHED_SIZE | 0.2 | 0.201 | 1.05 | 1.1 | 3.2 | 0.899 | 1.0 | 1.3x0.6 | DRILL CHART: TOP to BOTTOM | ALL UNITS ARE IN MILLIMETERS | ROTATION | - | 90.000 | PLATED | NON-PLATED | QTY | 1193 | 25 | 75 | 1 | 4 | 6 | 3 | 2 | 1311 | TOTAL HOLES:
